# Allegro board GPS_INTERFACE_BOARDv36_PH.brd (continued)
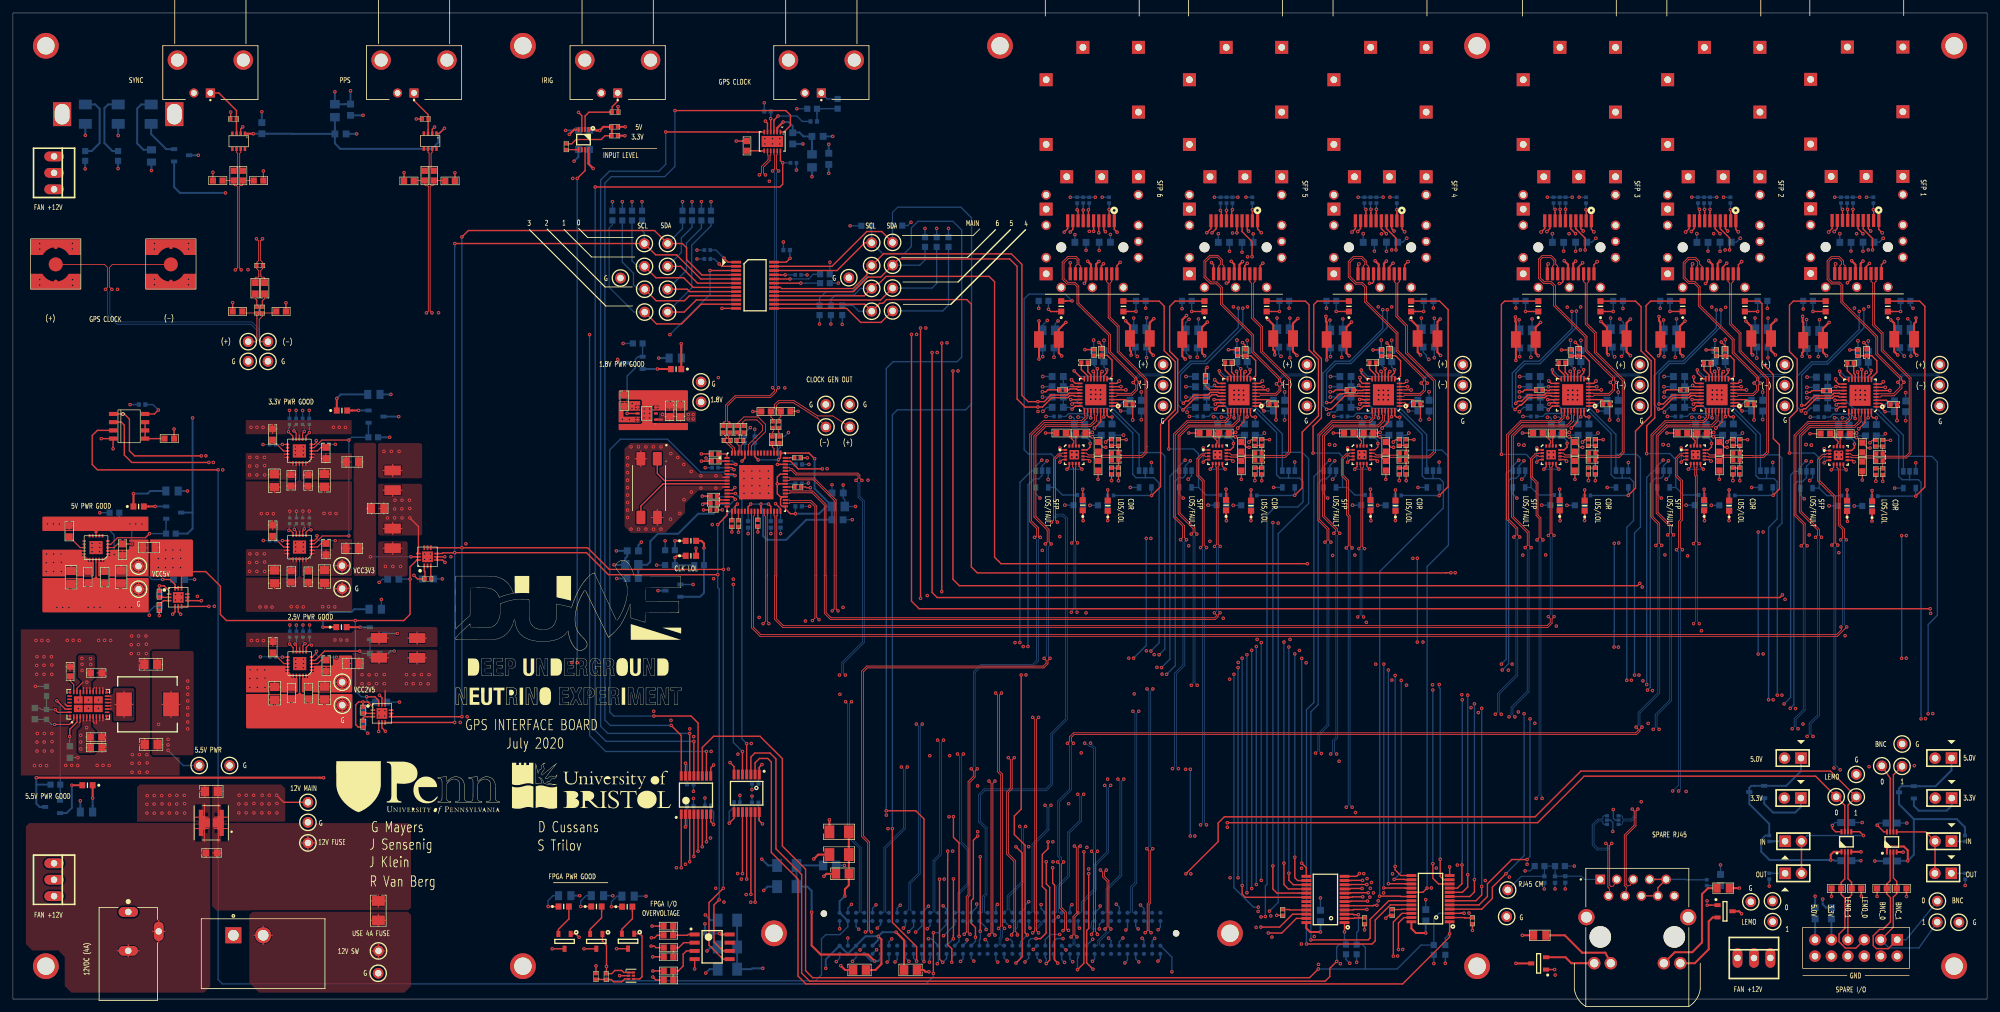
[diagram p0: board, top side]
## Routing (per net, layer and track width the routed paths; a pad name or vN(x,y) marks a point on that pad's centre or on a via; arc(x,y) is an arc through that point) (continued)
  TOP w0.127: v2(282.24,57.51) 282.35,57.4 282.35,57.11 281.57,56.34 115.47,56.34 114.33,57.48 114.33,74.59 114.51,74.78 U48.24 ; v2(282.19,70.97) 282.5,71.27 282.5,72.55 281.83,73.22 281.83,81.92 281.61,82.14 U22.6
  BOTTOM w0.127: v2(282.24,57.51) 282.24,57.63 282.47,57.86 282.47,70.87 282.37,70.97 v2(282.19,70.97)
CLK_TO_SFP.CLK_TO_SFP_P1: length 187.7
  TOP w0.127: U48.28 116.51,74.89 116.46,74.84 116.46,65.53 116.51,65.48 116.51,65.43 116.46,65.38 116.46,58.4 116.71,58.14 v2(116.71,58.01) ; v2(259.46,70.38) 259.76,70.69 259.76,80.81 259.66,80.91 259.66,82.12 259.54,82.24 U26.6
  SIG w0.127: v2(259.49,58.01) 259.6,58.01 259.71,57.9 259.71,57.35 259.38,57.02 117.08,57.02 116.49,57.61 116.49,57.79 v2(116.71,58.01)
  BOTTOM w0.127: v2(259.49,58.01) 259.59,58.12 259.59,58.2 259.79,58.4 259.79,70.05 259.66,70.18 259.59,70.18 259.46,70.31 v2(259.46,70.38)
CLK_TO_SFP.CLK_TO_SFP_P2: length 161.9
  TOP w0.127: v2(237.06,59.11) 237.36,58.8 237.36,58.21 236.87,57.71 118.95,57.71 117.88,58.78 117.88,65.31 117.93,65.37 117.93,74.7 118.01,74.78 U48.31 ; U30.6 237.24,82.24 237.34,82.14 237.34,71.94 237.26,71.86 237.26,71.86 v2(237.06,71.65)
  BOTTOM w0.127: v2(237.06,71.65) 237.36,71.35 237.36,59.41 v2(237.06,59.11)
CLK_TO_SFP.CLK_TO_SFP_P3: length 131.5
  TOP w0.127: v2(207.8,69.61) 208.13,69.94 208.13,82.14 208.03,82.24 U34.6 ; v2(124.46,58.62) 124.1,58.98 124.1,76.19 123.27,77.02 119.97,77.02 119.86,77.13 U48.35
  SIG w0.127: v2(124.46,58.62) 124.76,58.32 207.57,58.32 207.93,58.68 207.93,58.91 207.79,59.05 v2(207.64,59.05)
  BOTTOM w0.127: v2(207.8,69.61) 207.81,69.6 207.87,69.6 208,69.47 208,59.37 207.73,59.11 207.69,59.11 v2(207.64,59.05)
CLK_TO_SFP.CLK_TO_SFP_P4: length 108.9
  TOP w0.127: v2(185.49,59.69) 185.8,59.38 185.8,59.2 185.52,58.93 126.34,58.93 125.55,59.72 125.55,65.41 125.53,65.43 125.53,76.48 123.48,78.52 119.97,78.52 119.86,78.63 U48.38 ; U38.6 185.73,82.24 185.8,82.17 185.8,70.23 v2(185.52,69.95)
  BOTTOM w0.127: v2(185.52,69.95) 185.67,69.95 185.83,69.8 185.83,59.94 185.57,59.69 v2(185.49,59.69)
CLK_TO_SFP.CLK_TO_SFP_P5: length 86.4
  TOP w0.127: v2(127.39,59.99) 127.1,60.28 127.1,77.14 123.72,80.52 119.97,80.52 119.86,80.63 U48.42 ; U42.6 163.61,82.24 163.77,82.08 163.77,70.78 v2(163.48,70.49)
  SIG w0.127: v2(127.39,59.99) 127.59,59.79 127.59,59.74 127.77,59.56 163.19,59.56 v2(163.41,59.78)
  BOTTOM w0.127: v2(163.41,59.78) 163.6,59.97 163.6,60.06 163.81,60.27 163.81,70.16 v2(163.48,70.49)
CML_SFP_TD_N_SFP INTERFACE_SFP1: length 5.2
  TOP w0.127: U22.10 283.8,83.77 283.9,83.67 284.81,83.67 285.41,83.07 R120.2 286.09,83.62 287.26,83.62 C141.1
CML_SFP_TD_N_SFP INTERFACE_SFP2: length 5.2
  TOP w0.127: U26.10 261.73,83.87 261.83,83.77 262.74,83.77 263.33,83.17 R141.2 264.02,83.72 265.19,83.72 C164.1
CML_SFP_TD_N_SFP INTERFACE_SFP3: length 5.2
  TOP w0.127: U30.10 239.42,83.87 239.53,83.77 240.44,83.77 241.03,83.17 R162.2 241.72,83.72 242.88,83.72 C187.1
CML_SFP_TD_N_SFP INTERFACE_SFP4: length 5.2
  TOP w0.127: C210.1 213.67,83.72 212.51,83.72 R183.2 211.82,83.17 211.23,83.77 210.32,83.77 210.21,83.87 U34.10
CML_SFP_TD_N_SFP INTERFACE_SFP5: length 5.2
  TOP w0.127: C233.1 191.37,83.72 190.21,83.72 R204.2 189.52,83.17 188.93,83.77 188.02,83.77 187.91,83.87 U38.10
CML_SFP_TD_N_SFP INTERFACE_SFP6: length 5.2
  TOP w0.127: C256.1 169.25,83.72 168.08,83.72 R225.2 167.4,83.17 166.8,83.77 165.9,83.77 165.79,83.87 U42.10
CML_SFP_TD_P_SFP INTERFACE_SFP1: length 5.2
  TOP w0.127: U22.11 283.75,84.27 284.04,83.99 284.8,83.99 285.3,84.49 R119.2 286.09,83.95 287.36,83.95 C140.1
CML_SFP_TD_P_SFP INTERFACE_SFP2: length 5.2
  TOP w0.127: C163.1 265.29,84.05 264.02,84.05 R140.2 263.23,84.59 262.72,84.09 261.96,84.09 261.67,84.37 U26.11
CML_SFP_TD_P_SFP INTERFACE_SFP3: length 5.2
  TOP w0.127: C186.1 242.99,84.05 241.72,84.05 R161.2 240.93,84.59 240.42,84.09 239.66,84.09 239.37,84.37 U30.11
CML_SFP_TD_P_SFP INTERFACE_SFP4: length 5.2
  TOP w0.127: C209.1 213.78,84.05 212.51,84.05 R182.2 211.72,84.59 211.21,84.09 210.45,84.09 210.16,84.37 U34.11
CML_SFP_TD_P_SFP INTERFACE_SFP5: length 5.2
  TOP w0.127: U38.11 187.86,84.37 188.15,84.09 188.91,84.09 189.42,84.59 R203.2 190.21,84.05 191.47,84.05 C232.1
CML_SFP_TD_P_SFP INTERFACE_SFP6: length 5.2
  TOP w0.127: C255.1 169.35,84.05 168.08,84.05 R224.2 167.3,84.59 166.79,84.09 166.03,84.09 165.74,84.37 U42.11
FB_2V5: length 2.5
  TOP w0.165: U12.3 47.05,51.84 47.61,52.4 C83.2
FB_3V3_1: length 2.5
  TOP w0.165: C64.2 47.59,70.41 47.03,69.85 U9.3
FB_3V3_2: length 2.5
  TOP w0.165: U11.3 47,84.71 47.56,85.27 C75.2
FB_5V: length 10
  TOP w0.165: C56.2 16.17,70.33 15.61,69.77 U7.3
  TOP w0.203: C56.2 v1(18.34,70.33)
  BOTTOM w0.203: v1(18.34,70.33) 18.34,72.34 17.3,73.38 R46.2 16.45,74.43 16.42,74.46 R47.1
FB_5V5: length 7.7
  TOP w0.203: U6.32 6.94,44.32 v1(6.53,44.73)
  BOTTOM w0.203: R41.2 5.89,44.74 5.9,44.73 v1(6.53,44.73) ; R41.2 R36.1 ; R41.2 4.36,44.74 4.15,44.96 C51.2
FMC.CLK_FILTER_A: length 144.2
  TOP w0.203: U18.16 103.19,40.73 v1(101.63,42.29) ; v1(102.21,137.31) 119.33,137.31 120.04,136.6 120.04,135 119.03,133.99 U1.1
  BOTTOM w0.203: v1(102.21,137.31) 102.21,128.68 100.63,127.1 92.38,127.1 91.39,126.12 91.39,43.12 92.23,42.29 v1(101.63,42.29)
FMC.CLK_FILTER_B: length 136.5
  TOP w0.203: U18.14 v1(104.49,41.06) ; U1.6 113.48,133.99 113.46,134.01 v1(100.79,134.01)
  BOTTOM w0.203: v1(100.79,134.01) 100.79,129.01 99.72,127.94 92.1,127.94 90.74,126.57 90.74,42.16 91.84,41.06 v1(104.49,41.06)
FMC.CLK_GEN_INTR*: length 45.4
  TOP w0.203: v1(111.56,78.13) U48.12 ; U17.4 v1(113.28,39.47)
  BOTTOM w0.203: v1(111.56,78.13) 112.55,77.14 112.55,40.21 v1(113.28,39.47)
FMC.CLK_GEN_LOL*: length 75.7
  TOP w0.203: U48.47 120.04,83.13 121.23,81.94 v1(124.97,81.94) ; U17.5 v1(112.63,38.25)
  SIG w0.203: v1(105.02,64.07) 110.72,64.07 110.73,64.08 v1(111.23,64.08) 124.49,64.08 124.97,64.57 v1(124.97,81.94)
  BOTTOM w0.203: v1(111.23,64.08) 111.23,39.66 v1(112.63,38.25) ; Q1.1 v1(105.02,64.07)
FMC.CLK_GEN_RST*: length 86.7
  TOP w0.203: U48.6 111.25,81.13 v1(111.48,80.9) ; U18.12 105.79,42.65 104.7,43.74 v1(98.96,43.74)
  BOTTOM w0.203: v1(98.96,43.74) 92.76,43.74 92.15,44.35 92.15,84.89 93.79,86.53 101.05,86.53 106.15,81.43 109.7,81.43 110.24,80.9 v1(111.48,80.9)
FMC.CLK_TO_FPGA_N: length 134.4
  TOP w0.127: v1(130.16,80.16) 130.48,80.48 130.48,80.87 130.35,81 120.9,81 120.15,81.74 119.97,81.74 119.86,81.63 U48.44 ; v1(175.07,23.24) 175.39,22.93 175.39,14.95 175.13,14.7 175.13,10.58 v1(174.82,10.26)
  SIG w0.127: v1(127.61,50.06) 128.17,49.51 128.17,49.36 128.46,49.07 174.88,49.07 175.41,48.54 175.41,48.24 v1(175.1,47.93)
  BOTTOM w0.127: v1(175.07,23.24) 175.39,23.56 175.39,47.64 v1(175.1,47.93) ; v1(130.16,80.16) 130.48,79.85 130.48,77.56 131.17,76.87 131.17,55.21 127.97,52.01 127.97,50.41 v1(127.61,50.06) ; v1(174.82,10.26) 175.13,10.58 175.13,11.63 175.12,11.64 175.12,11.94 174.99,12.06 J8.G3
FMC.CLK_TO_FPGA_P: length 134.7
  TOP w0.127: v1(131.07,80.16) 130.76,80.48 130.76,80.99 130.47,81.28 121.01,81.28 120.27,82.02 119.97,82.02 119.86,82.13 U48.45 ; v1(175.73,10.26) 175.41,10.58 175.41,14.58 175.67,14.83 175.67,22.93 v1(175.98,23.24)
  SIG w0.127: v1(128.52,50.06) 128.52,49.98 128.4,49.85 128.4,49.68 128.45,49.63 128.45,49.48 128.57,49.35 174.99,49.35 175.69,48.66 175.69,48.24 v1(176.01,47.93)
  BOTTOM w0.127: J8.G2 175.53,12.06 175.4,11.94 175.4,11.76 175.41,11.75 175.41,10.58 v1(175.73,10.26) ; v1(176.01,47.93) 175.67,47.59 175.67,23.56 v1(175.98,23.24) ; v1(131.07,80.16) 130.76,79.85 130.76,77.67 131.44,76.99 131.44,55.09 128.24,51.89 128.24,50.34 v1(128.52,50.06)
FMC.DATA_TO_FF_N0: length 186.9
  TOP w0.127: U22.3 279.98,83.77 279.89,83.86 279.52,83.86 278.97,83.31 278.97,80.14 281.44,77.67 281.44,70.47 v1(281.75,70.15)
  SIG w0.127: v1(170.6,33.99) 170.92,33.67 170.92,33.36 171.21,33.07 280.52,33.07 281.81,34.37 281.81,34.85 282.13,35.16 v1(282.13,35.43)
  BOTTOM w0.127: v1(170.6,33.99) 170.92,33.67 170.92,19.17 168.77,17.02 168.77,13.46 168.64,13.34 J8.H8 ; v1(282.13,35.43) 281.65,35.91 281.65,35.91 281.44,36.13 281.44,69.84 v1(281.75,70.15)
FMC.DATA_TO_FF_N1: length 165.8
  TOP w0.127: v1(257.76,69.44) 257.44,69.76 257.44,73.7 257.76,74.02 257.76,80.14 256.96,80.94 256.96,83.48 257.45,83.97 257.82,83.97 257.91,83.87 U26.3
  SIG w0.127: v1(257.18,32.16) 257.01,32.32 256.88,32.32 256.76,32.19 256.76,31.95 256.47,31.67 255.49,31.67 255.35,31.52 169.48,31.52 168.88,32.12 168.88,32.71 v1(168.57,33.02)
  BOTTOM w0.127: J8.H11 164.83,13.34 164.96,13.46 164.96,15.04 166.95,17.03 166.95,20.82 168.88,22.75 168.88,32.71 v1(168.57,33.02) ; v1(257.18,32.16) 257.45,32.44 257.45,69.14 v1(257.76,69.44)
FMC.DATA_TO_FF_N2: length 148.4
  TOP w0.127: v1(236.23,70.97) 235.92,71.28 235.92,74.37 235.46,74.83 235.46,79.83 234.59,80.7 234.59,83.42 235.14,83.97 235.52,83.97 235.61,83.87 U30.3
  SIG w0.127: v1(164.4,31.65) 164.72,31.34 164.72,30.82 165.42,30.12 205.65,30.12 205.65,30.13 234.7,30.13 235.09,30.52 235.39,30.52 235.88,31.01 v1(236.1,31.01)
  BOTTOM w0.127: v1(236.23,70.97) 235.92,70.65 235.92,31.52 236.1,31.34 v1(236.1,31.01) ; v1(164.4,31.65) 164.72,31.34 164.72,27.62 162.86,25.77 162.86,19.09 161.15,17.38 161.15,13.46 161.02,13.34 J8.H14
FMC.DATA_TO_FF_N3: length 123
  TOP w0.127: U34.3 206.4,83.87 206.31,83.97 205.93,83.97 205.38,83.42 205.38,81 206.2,80.19 206.2,74.93 206.45,74.68 206.45,70.04 v1(206.77,69.72)
  SIG w0.127: v1(206.77,29.64) 206.34,29.21 206.34,29.14 206.05,28.85 159.98,28.85 159.67,29.17 159.67,29.63 v1(159.35,29.94)
  BOTTOM w0.127: v1(159.35,29.94) 159.67,29.63 159.67,26.25 157.34,23.93 157.34,13.46 157.21,13.34 J8.H17 ; v1(206.77,29.64) 206.45,29.96 206.45,69.41 v1(206.77,69.72)
FMC.DATA_TO_FF_N4: length 103.6
  TOP w0.127: v1(184.29,69.78) 183.92,70.14 183.92,80.14 183.08,80.98 183.08,83.42 183.63,83.97 184,83.97 184.1,83.87 U38.3
  SIG w0.127: v1(155.44,26.68) 155.44,26.48 155.91,26 156.03,26 156.15,25.88 183.36,25.88 183.63,26.15 183.95,26.15 184.28,26.48 v1(184.28,26.92)
  BOTTOM w0.127: v1(184.28,26.92) 183.95,27.25 183.95,69.44 v1(184.29,69.78) ; J8.H20 153.52,13.82 153.52,15.94 155.73,18.15 155.73,26.39 v1(155.44,26.68)
FMC.DATA_TO_FF_N5: length 87.2
  TOP w0.127: v1(161.26,73.71) 160.96,74.02 160.96,83.42 161.51,83.97 161.88,83.97 161.97,83.87 U42.3
  BOTTOM w0.127: J8.H23 149.59,13.34 149.72,13.46 149.72,15.88 150.11,16.27 150.11,26.34 149.1,27.36 149.1,31.62 149.96,32.49 159.46,32.49 160.25,33.27 160.25,41.05 162.51,43.31 162.51,74.2 162.06,74.65 161.34,74.65 160.96,74.27 160.96,74.02 v1(161.26,73.71)
FMC.DATA_TO_FF_P0: length 186.2
  TOP w0.127: U22.2 279.98,84.27 279.89,84.18 279.39,84.18 278.65,83.45 278.65,80.06 281.16,77.55 281.16,70.47 v1(280.84,70.15)
  SIG w0.127: v1(171.51,33.99) 171.2,33.67 171.2,33.48 171.32,33.35 280.4,33.35 281.53,34.48 281.53,35.34 v1(281.16,35.71)
  BOTTOM w0.127: v1(280.84,70.15) 281.16,69.84 v1(281.16,35.71) ; v1(171.51,33.99) 171.2,33.67 171.2,19.05 169.05,16.9 169.05,13.46 169.18,13.34 169.54,13.34
FMC.DATA_TO_FF_P1: length 164.9
  TOP w0.127: v1(256.85,69.44) 257.16,69.76 257.16,73.82 257.48,74.13 257.48,80.02 256.68,80.82 256.68,83.6 257.33,84.25 257.78,84.25 257.91,84.37 U26.2
  SIG w0.127: v1(256.27,32.16) 256.27,32.07 256.14,31.95 255.38,31.95 255.23,31.8 169.6,31.8 169.16,32.23 169.16,32.71 v1(169.48,33.02)
  BOTTOM w0.127: v1(256.85,69.44) 257.18,69.12 257.18,33.07 v1(256.27,32.16) ; v1(169.48,33.02) 169.16,32.71 169.16,22.63 167.23,20.7 167.23,16.92 165.24,14.92 165.24,13.46 165.37,13.34 J8.H10
FMC.DATA_TO_FF_P2: length 147.6
  TOP w0.127: v1(235.32,70.97) 235.64,71.28 235.64,74.26 235.18,74.71 235.18,79.72 234.31,80.58 234.31,83.53 234.95,84.16 234.95,84.22 235.01,84.28 235.52,84.28 235.61,84.37 U30.2
  SIG w0.127: v1(235.19,31.01) 234.59,30.41 205.54,30.41 205.53,30.4 165.53,30.4 165,30.94 165,31.34 v1(165.31,31.65)
  BOTTOM w0.127: J8.H13 161.56,13.34 161.43,13.46 161.43,17.26 163.14,18.97 163.14,25.65 165,27.51 165,31.34 v1(165.31,31.65) ; v1(235.32,70.97) 235.64,70.65 235.64,31.55 235.19,31.1 v1(235.19,31.01)
FMC.DATA_TO_FF_P3: length 122.5
  TOP w0.127: v1(205.86,69.72) 206.17,70.04 206.17,74.56 205.92,74.81 205.92,80.07 205.1,80.88 205.1,83.53 205.82,84.25 206.27,84.25 206.4,84.37 U34.2
  SIG w0.127: v1(160.26,29.94) 159.95,29.63 159.95,29.28 160.1,29.13 205.93,29.13 206.06,29.26 206.06,29.44 v1(205.86,29.64)
  BOTTOM w0.127: v1(205.86,29.64) 206.17,29.96 206.17,69.41 v1(205.86,69.72) ; J8.H16 157.75,13.34 157.62,13.46 157.62,23.81 159.95,26.14 159.95,29.63 v1(160.26,29.94)
FMC.DATA_TO_FF_P4: length 102.5
  TOP w0.127: v1(183.38,69.78) 183.64,70.04 183.64,80.02 182.8,80.86 182.8,83.53 183.52,84.25 183.97,84.25 184.1,84.37 U38.2
  SIG w0.127: v1(183.37,26.92) 183.37,26.29 183.24,26.16 156.26,26.16 156.14,26.29 156.14,26.47 v1(156.35,26.68)
  BOTTOM w0.127: v1(183.38,69.78) 183.67,69.49 183.67,27.22 v1(183.37,26.92) ; J8.H19 153.8,13.84 153.8,15.82 156.01,18.04 156.01,26.34 v1(156.35,26.68)
FMC.DATA_TO_FF_P5: length 88.6
  TOP w0.127: v1(160.36,73.71) 160.68,74.04 160.68,83.53 161.39,84.25 161.84,84.25 161.97,84.37 U42.2
  BOTTOM w0.127: J8.H22 150.13,13.34 150,13.46 150,15.76 150.39,16.15 150.39,26.46 149.38,27.47 149.38,31.51 150.08,32.21 159.58,32.21 160.53,33.16 160.53,40.93 162.79,43.19 162.79,74.32 162.18,74.93 161.22,74.93 160.68,74.38 160.68,74.03 v1(160.36,73.71)
FMC.FPGA_CLK_FILTER_A: length 82.6
  TOP w0.203: v1(160.53,20.29) 160.53,17.91 160.83,17.6 160.83,6.05 v1(161.32,5.56) ; U18.1 v1(103.19,20.29)
  SIG w0.203: v1(160.53,20.29) 130.53,20.29 130.28,20.04 127.41,20.04 127.15,20.29 v1(103.19,20.29)
  BOTTOM w0.203: J8.C14 160.66,6.22 v1(161.32,5.56)
FMC.FPGA_CLK_FILTER_B: length 80.4
  TOP w0.203: v1(159.54,5.49) 160.07,6.02 160.07,17.27 159.54,17.81 v1(159.54,21.22) ; U18.3 v1(104.49,21.22)
  SIG w0.203: v1(159.54,21.22) 159.04,21.22 158.95,21.13 130.53,21.13 130.3,21.36 127.36,21.36 127.13,21.13 115.84,21.13 115.83,21.12 115.42,21.12 115.4,21.13 112.55,21.13 112.46,21.22 v1(104.49,21.22)
  BOTTOM w0.203: 159.38,6.99 159.38,6.44 159.54,6.28 v1(159.54,5.49)
FMC.FPGA_CLK_GEN_INTR*: length 55
  TOP w0.203: v1(143.07,18.52) 143.07,6.16 v1(143.56,5.66) ; U17.11 v1(113.28,18.54)
  SIG w0.203: v1(143.07,18.52) 142.57,18.52 142.54,18.54 126.24,18.54 125.98,18.29 124.21,18.29 123.95,18.54 v1(113.28,18.54)
  BOTTOM w0.203: v1(143.56,5.66) 144.15,6.25 J8.C27
FMC.FPGA_CLK_GEN_LOL*: length 81.2
  TOP w0.203: v1(166.09,19.39) 166.09,10.9 165.79,10.59 165.79,5.59 v1(166.75,4.62) ; U17.10 v1(112.63,19.39)
  SIG w0.203: v1(166.09,19.39) 126.23,19.39 125.98,19.63 124.23,19.63 123.99,19.39 v1(112.63,19.39)
  BOTTOM w0.203: v1(166.75,4.62) 165.74,5.64 J8.C10
FMC.FPGA_CLK_GEN_RST*: length 63.2
  TOP w0.203: v1(144.96,5.69) 144.96,7.77 144.31,8.42 144.31,21.5 144.32,21.51 v1(144.32,22.85) ; U18.5 v1(105.79,22.85)
  SIG w0.203: v1(105.79,22.85) v1(144.32,22.85)
  BOTTOM w0.203: v1(144.96,5.69) 144.96,6.53 J8.C26
FMC.FPGA_GPS_CLK_EN*: length 88.3
  TOP w0.203: v1(164.36,4.55) 165.35,5.54 v1(165.35,22.76) ; U18.4 v1(105.14,22.04)
  SIG w0.203: v1(165.35,22.76) 147.45,22.76 146.81,22.12 124.99,22.12 124.87,22.25 112.7,22.25 112.49,22.04 v1(105.14,22.04)
  BOTTOM w0.203: J8.C11 164.47,6.44 164.36,6.33 v1(164.36,4.55)
FMC.FPGA_I2C_EXT_INT0*: length 72.1
  TOP w0.203: v1(114.58,14.96) U17.13
  SIG w0.203: v1(162.13,9.35) 159.36,6.58 122.02,6.58 121.18,7.7 121.18,13.94 120.17,14.96 v1(114.58,14.96)
  BOTTOM w0.203: J8.D14 160.66,8.86 161.14,9.35 v1(162.13,9.35)
FMC.FPGA_I2C_EXT_INT1*: length 73.4
  TOP w0.203: v1(113.94,16.18) 113.93,16.19 U17.12
  SIG w0.203: v1(161.62,9.98) 158.67,7.04 122.46,7.04 121.82,7.9 121.82,15.37 121.01,16.18 v1(113.94,16.18)
  BOTTOM w0.203: 159.38,8.26 159.38,9.19 160.17,9.98 v1(161.62,9.98)
FMC.FPGA_I2C_EXT_RST*: length 74
  TOP w0.203: v1(154.86,5.56) 155.83,6.53 155.83,22.57 v1(154.86,23.54) ; U18.6 v1(106.44,23.54)
  SIG w0.203: v1(106.44,23.54) v1(154.86,23.54)
  BOTTOM w0.203: J8.C18 155.57,6.27 v1(154.86,5.56)
FMC.FPGA_I2C_SW_RST*: length 75.6
  TOP w0.203: v1(157.96,9.35) 158.67,9.35 159.51,10.19 159.51,16.81 158.93,17.4 158.93,22.35 159.82,23.24 v1(159.82,24.31) ; U18.7 v1(107.09,24.31)
  SIG w0.203: v1(159.82,24.31) v1(107.09,24.31)
  BOTTOM w0.203: J8.D17 156.84,9.02 157.18,9.35 v1(157.96,9.35)
FMC.FPGA_IO_VOLTAGE: length 72.5
  TOP w0.17: R78.1 91.62,4.42 91.64,4.44 v1(91.64,5.03)
  TOP w0.203: Q11.1 91.02,8.93 91.64,8.31 v1(91.64,5.03) ; R78.1 92.45,3.93 92.94,4.42 94.01,4.42 94.32,4.11 U15.1 U15.6
  TOP w0.305: C106.1 C107.1 129.06,21.05 129.07,21.04 C105.1 129.07,18.33 129.06,18.32 129.06,17.58 128.45,16.97 v1(128.45,15.93)
  BOTTOM w0.203: J8.G39 128.91,11.18 127.69,9.96 125.5,9.96 124.84,9.3 124.84,3.76 123.9,2.82 92.25,2.82 91.64,3.43 v1(91.64,5.03)
  BOTTOM w0.305: v1(128.45,15.93) 127.64,15.11 J8.H40 J8.G39
FMC.GPS_CLK_EN*: length 140.9
  TOP w0.203: v1(105.13,39.83) 105.13,39.63 105.14,39.63 U18.13 ; v1(89.9,125.5) 118.41,125.5 118.85,125.93 v1(118.85,129.24) 118.5,129.59 U1.12
  BOTTOM w0.203: v1(118.85,129.24) R1.1 ; v1(105.13,39.83) 91.57,39.83 89.9,41.5 v1(89.9,125.5)
FMC.GPS_IRIGB: length 192.7
  TOP w0.203: v1(87.12,126.82) 88.34,128.04 U47.7 ; v1(155.68,50.09) 155.68,29.36 154.61,28.3 154.61,25.43 156.27,23.77 156.27,10.26 v1(156.62,9.91)
  SIG w0.203: v1(87.12,51.99) 88.76,51.99 88.79,51.97 153.8,51.97 v1(155.68,50.09)
  BOTTOM w0.203: v1(156.62,9.91) 155.57,8.86 J8.D18 ; v1(87.12,51.99) v1(87.12,126.82)
FMC.GPS_PPS_N: length 223.3
  TOP w0.127: v1(63.84,106.05) 64.14,106.34 64.14,125.6 64.02,125.71 63.73,125.71 63.6,125.84 R12.2 61.95,126.5 R14.1
  SIG w0.127: v1(172.91,44.48) 173.23,44.79 173.23,44.98 173.1,45.11 80.24,45.11 79.02,46.33 79.02,101.15 77.86,102.31 65.57,102.31 64.14,103.74 64.14,105.75 v1(63.84,106.05)
  BOTTOM w0.127: J8.H5 172.45,13.34 172.58,13.46 172.58,17.38 173.23,18.02 173.23,44.16 v1(172.91,44.48)
FMC.GPS_PPS_P: length 223.3
  TOP w0.127: R13.1 66.67,126.5 R11.2 64.97,125.84 64.85,125.71 64.55,125.71 64.41,125.57 64.41,106.34 v1(64.71,106.05)
  SIG w0.127: v1(64.71,106.05) 64.41,105.75 64.41,103.86 65.68,102.59 77.98,102.59 79.3,101.27 79.3,46.45 80.35,45.39 173.22,45.39 173.51,45.1 173.51,44.79 v1(173.82,44.48)
  BOTTOM w0.127: J8.H4 172.99,13.34 172.86,13.46 172.86,17.26 173.51,17.91 173.51,44.16 v1(173.82,44.48)
FMC.GPS_SYNC_OUT_N: length 236.2
  TOP w0.127: v1(34.34,112.7) 34.66,113.01 34.66,125.58 34.53,125.71 34.21,125.71 34.09,125.84 R16.2 32.38,126.5 R18.1 ; v1(152.19,10.92) 152.5,11.24 152.5,34.66 152.03,35.12 152.03,46.98 v1(151.72,47.29)
  SIG w0.127: v1(34.34,112.7) 34.66,112.38 34.66,110.82 36.43,109.04 82.28,109.04 83.59,107.73 83.59,48.8 84.47,47.93 151.27,47.93 151.72,47.48 v1(151.72,47.29)
  BOTTOM w0.127: v1(152.19,10.92) 152.5,10.61 152.5,9.67 152.26,9.42 152.26,8.38 152.13,8.26 151.76,8.26
FMC.GPS_SYNC_OUT_P: length 236.6
  TOP w0.127: R17.1 37.16,126.5 36.98,126.5 R15.2 35.51,125.84 35.38,125.71 35.06,125.71 34.94,125.58 34.94,113.01 v1(35.25,112.7) ; v1(152.63,47.29) 152.31,46.98 152.31,35.24 152.78,34.77 152.78,11.24 v1(153.1,10.92)
  SIG w0.127: v1(152.63,47.29) 152.41,47.29 151.96,47.75 151.85,47.75 151.39,48.21 84.58,48.21 83.87,48.92 83.87,107.85 82.4,109.32 36.55,109.32 34.94,110.93 34.94,112.38 v1(35.25,112.7)
  BOTTOM w0.127: v1(153.1,10.92) 152.78,10.61 152.78,9.55 152.54,9.31 152.54,8.38 152.67,8.26 J8.D20
FMC.I2C_EXT_INT0*: length 148.1
  TOP w0.203: U53.1 221.82,10.58 221.82,10.58 v1(221.82,10.08) 221.82,9.59 214.57,2.34 122.43,2.34 121.21,3.56 121.21,18.54 117.09,22.66 117.09,36.63 116.54,37.19 115.27,37.19 114.58,36.5 U17.2
  BOTTOM w0.203: R251.1 221.16,9.42 v1(221.82,10.08)
FMC.I2C_EXT_INT1*: length 134.4
  TOP w0.203: U52.1 v1(205.59,10.39) ; U17.3 113.93,37.4 114.55,38.02 116.89,38.02 117.81,37.11 117.81,23.21 121.77,19.25 121.77,4.01 123.01,2.77 202.62,2.77 203.33,3.48 203.33,4.75 v1(204.39,5.82)
  BOTTOM w0.203: v1(205.59,10.39) 205.59,9.35 205.82,9.12 R252.1 204.76,8.42 204.39,8.05 v1(204.39,5.82)
FMC.I2C_EXT_RST*: length 175.9
  TOP w0.203: v1(224.06,13.27) 223.57,13.27 223.54,13.24 U53.3 ; U52.3 206.92,13.12 207.01,13.03 v1(207.75,13.03) ; U18.11 106.44,38.87 108.18,40.61 115.34,40.61 118.8,37.16 118.8,23.65 122.38,20.07 122.38,4.39 123.47,3.3 200.2,3.3 v1(201.55,4.65)
  BOTTOM w0.203: 208.81,4.65 208.81,7.98 208.37,8.42 R246.1 207.47,10.29 207.75,10.57 v1(207.75,13.03) ; 208.81,4.65 213.72,4.65 217.41,8.34 R245.1 219.38,12.45 220.2,13.27 v1(224.06,13.27) ; 208.81,4.65 v1(201.55,4.65)
FMC.PWR_GOOD: length 106.3
  TOP w0.203: v1(87.43,9.55) 86.91,10.07 Q8.1
  SIG w0.203: v1(178.94,4.22) 178.1,3.38 163.14,3.38 161.62,4.9 138.68,4.9 136.25,2.46 88.42,2.46 87.43,3.45 v1(87.43,9.55)
  BOTTOM w0.203: v1(178.94,4.22) 178.94,6.48 177.16,8.26
FMC.RECOV_CLK_N0: length 203.1
  TOP w0.127: v1(276.11,70.05) 276.43,70.37 276.43,73.36 275.01,74.78 275.01,87.14 277.14,89.27 280.19,89.27 280.23,89.31 283,89.31 283.53,89.84 283.53,90.07 283.44,90.16 U23.25 ; v1(166.54,22.83) 166.85,22.52 166.85,10.45 166.53,10.12 v1(166.53,9.98)
  SIG w0.127: v1(274.72,41.78) 275.01,41.49 275.01,40.69 274.35,40.03 168.4,40.03 167.92,40.51 166.12,40.51 165.79,40.19 165.79,39.86 v1(165.47,39.55)
  BOTTOM w0.127: v1(276.11,70.05) 276.43,69.74 276.43,44.74 275.03,43.35 275.03,42.1 v1(274.72,41.78) ; J8.G10 166.1,12.06 166.23,11.94 166.23,11.25 166.85,10.63 166.85,10.45 166.53,10.12 v1(166.53,9.98) ; v1(166.54,22.83) 166.85,23.15 166.85,38.68 166.48,39.06 166.18,39.06 165.89,39.35 165.67,39.35 v1(165.47,39.55)
FMC.RECOV_CLK_N1: length 180.6
  TOP w0.127: U27.25 261.37,90.26 261.46,90.17 261.46,89.94 261.22,89.7 261.22,89.65 260.95,89.37 255.07,89.37 252.93,87.24 252.93,74.43 253.97,73.39 253.97,70.42 v1(253.66,70.1) ; v1(250.61,42.03) 250.93,41.71 250.93,41.53 250.54,41.15 163.74,41.15 163.14,40.55 163.14,39.83 v1(162.83,39.52) ; v1(162.13,10.58) 162.38,10.83 162.38,13.3 161.62,14.06 161.62,20.87 v1(161.31,21.18)
  BOTTOM w0.127: v1(250.61,42.03) 250.93,42.34 250.93,44.31 253.97,47.36 253.97,69.79 v1(253.66,70.1) ; v1(162.83,39.52) 163.14,39.2 163.14,32.42 161.32,30.6 161.32,22.06 161.62,21.75 161.62,21.5 v1(161.31,21.18) ; v1(162.13,10.58) 162.13,10.62 162.38,10.86 162.38,11.72 162.42,11.76 162.42,11.94 162.29,12.06 J8.G13
FMC.RECOV_CLK_N2: length 165.3
  TOP w0.127: U31.25 239.07,90.26 239.16,90.17 239.16,89.94 238.92,89.7 238.92,89.65 238.65,89.37 232.76,89.37 230.61,87.21 230.61,74.13 232.05,72.68 232.05,71.72 v1(231.74,71.4) ; v1(157.44,10.24) 157.76,10.55 157.76,43.22 v1(157.44,43.54)
  SIG w0.127: v1(157.44,43.54) 157.76,43.85 157.76,44.34 158.05,44.63 160.96,44.63 161.93,43.66 228.81,43.66 228.88,43.74 v1(228.88,44.02)
  BOTTOM w0.127: v1(231.74,71.4) 232.05,71.09 232.05,50.08 229.2,47.22 229.2,44.33 v1(228.88,44.02) ; v1(157.44,10.24) 157.76,10.55 157.76,10.85 158.61,11.7 158.61,11.94 158.48,12.06 J8.G16
FMC.RECOV_CLK_N3: length 141.7
  TOP w0.127: U35.25 209.86,90.26 209.95,90.17 209.95,89.88 209.44,89.37 203.6,89.37 201.49,87.26 201.49,73.98 202.9,72.58 202.9,70.92 v1(202.58,70.61) ; v1(154.18,9.91) 154.18,10.07 154.53,10.42 154.53,21.27 153.42,22.39 153.42,32.02 154,32.6 154,37 v1(153.69,37.31)
  SIG w0.127: v1(153.69,37.31) 154,37.63 154,37.94 154.29,38.23 156.49,38.23 157.2,37.52 201.21,37.52 201.33,37.64 201.33,37.82 201.21,37.95 201.18,37.95 v1(201.12,38.01)
  BOTTOM w0.127: v1(202.58,70.61) 202.9,70.29 202.9,42.41 201.48,40.99 201.48,38.6 201.46,38.3 v1(201.12,38.01) ; J8.G19 154.67,12.06 154.8,11.94 154.8,11.15 154.53,10.89 154.53,10.42 154.18,10.07 v1(154.18,9.91)
FMC.RECOV_CLK_N4: length 120.9
  TOP w0.127: v1(150.7,9.88) 151.02,10.2 151.02,33.37 v1(150.7,33.68) ; U39.25 187.56,90.26 187.65,90.17 187.65,89.94 187.41,89.7 187.41,89.65 187.13,89.37 181.25,89.37 179.17,87.29 179.17,74.5 180.59,73.08 180.59,71.31 v1(180.28,70.99)
  SIG w0.127: v1(179.03,35.61) 179.35,35.3 179.35,35.12 179.06,34.82 151.52,34.82 151.08,34.38 151.08,33.8 150.96,33.68 v1(150.7,33.68)
  BOTTOM w0.127: v1(179.03,35.61) 179.35,35.93 179.35,50.36 180.64,51.65 180.64,70.63 v1(180.28,70.99) ; J8.G22 150.86,12.06 150.99,11.94 150.99,11.64 151.02,11.61 151.02,10.2 v1(150.7,9.88)
FMC.RECOV_CLK_N5: length 101
  TOP w0.127: U43.25 165.43,90.26 165.52,90.17 165.52,89.94 164.99,89.41 159.11,89.41 157,87.29 157,73.77 158.06,72.71 158.06,71.5 157.93,71.36 v1(157.72,71.36) ; v1(146.88,10.01) 147.19,10.32 147.19,15.84 147.47,16.12 147.47,33.62 148.29,34.43 148.29,35.27 v1(147.97,35.59)
  BOTTOM w0.127: v1(146.88,10.01) 147.19,10.32 147.19,11.63 147.18,11.64 147.18,11.94 147.05,12.06 J8.G25 ; v1(157.72,71.36) 158.04,71.04 158.04,52.34 157.41,51.71 149.41,51.71 148.29,50.59 148.29,35.9 v1(147.97,35.59)
FMC.RECOV_CLK_P0: length 202.6
  TOP w0.127: v1(167.44,9.98) 167.44,10.14 167.13,10.45 167.13,22.52 v1(167.45,22.83) ; v1(277.02,70.05) 276.71,70.37 276.71,73.47 275.29,74.89 275.29,87.02 277.25,88.99 283.13,88.99 283.85,89.7 283.85,90.07 283.94,90.16 U23.26
  SIG w0.127: v1(166.38,39.55) 166.07,39.86 166.07,40.07 166.23,40.23 167.8,40.23 168.29,39.75 274.46,39.75 275.29,40.57 275.29,41.44 v1(275.63,41.78)
  BOTTOM w0.127: J8.G9 166.64,12.06 166.51,11.94 166.51,11.37 167.13,10.75 167.13,10.45 167.44,10.14 v1(167.44,9.98) ; v1(277.02,70.05) 276.71,69.74 276.71,44.63 275.31,43.23 275.31,42.1 v1(275.63,41.78) ; v1(167.45,22.83) 167.13,23.15 167.13,38.8 v1(166.38,39.55)
